# Altium PCB MB1166.PcbDoc (part 22 of 39)
Units mil, origin at the board's own origin, x right, y up, seen from the top; angles counter-clockwise.
Board outline 5000.99 x 2352.96 mil, 4 copper layers (TOP, L2_GND, L3_VCC, BOTTOM), stack 25.9 mil thick; 35 components, 24 nets, 166 pads, 143 vias.
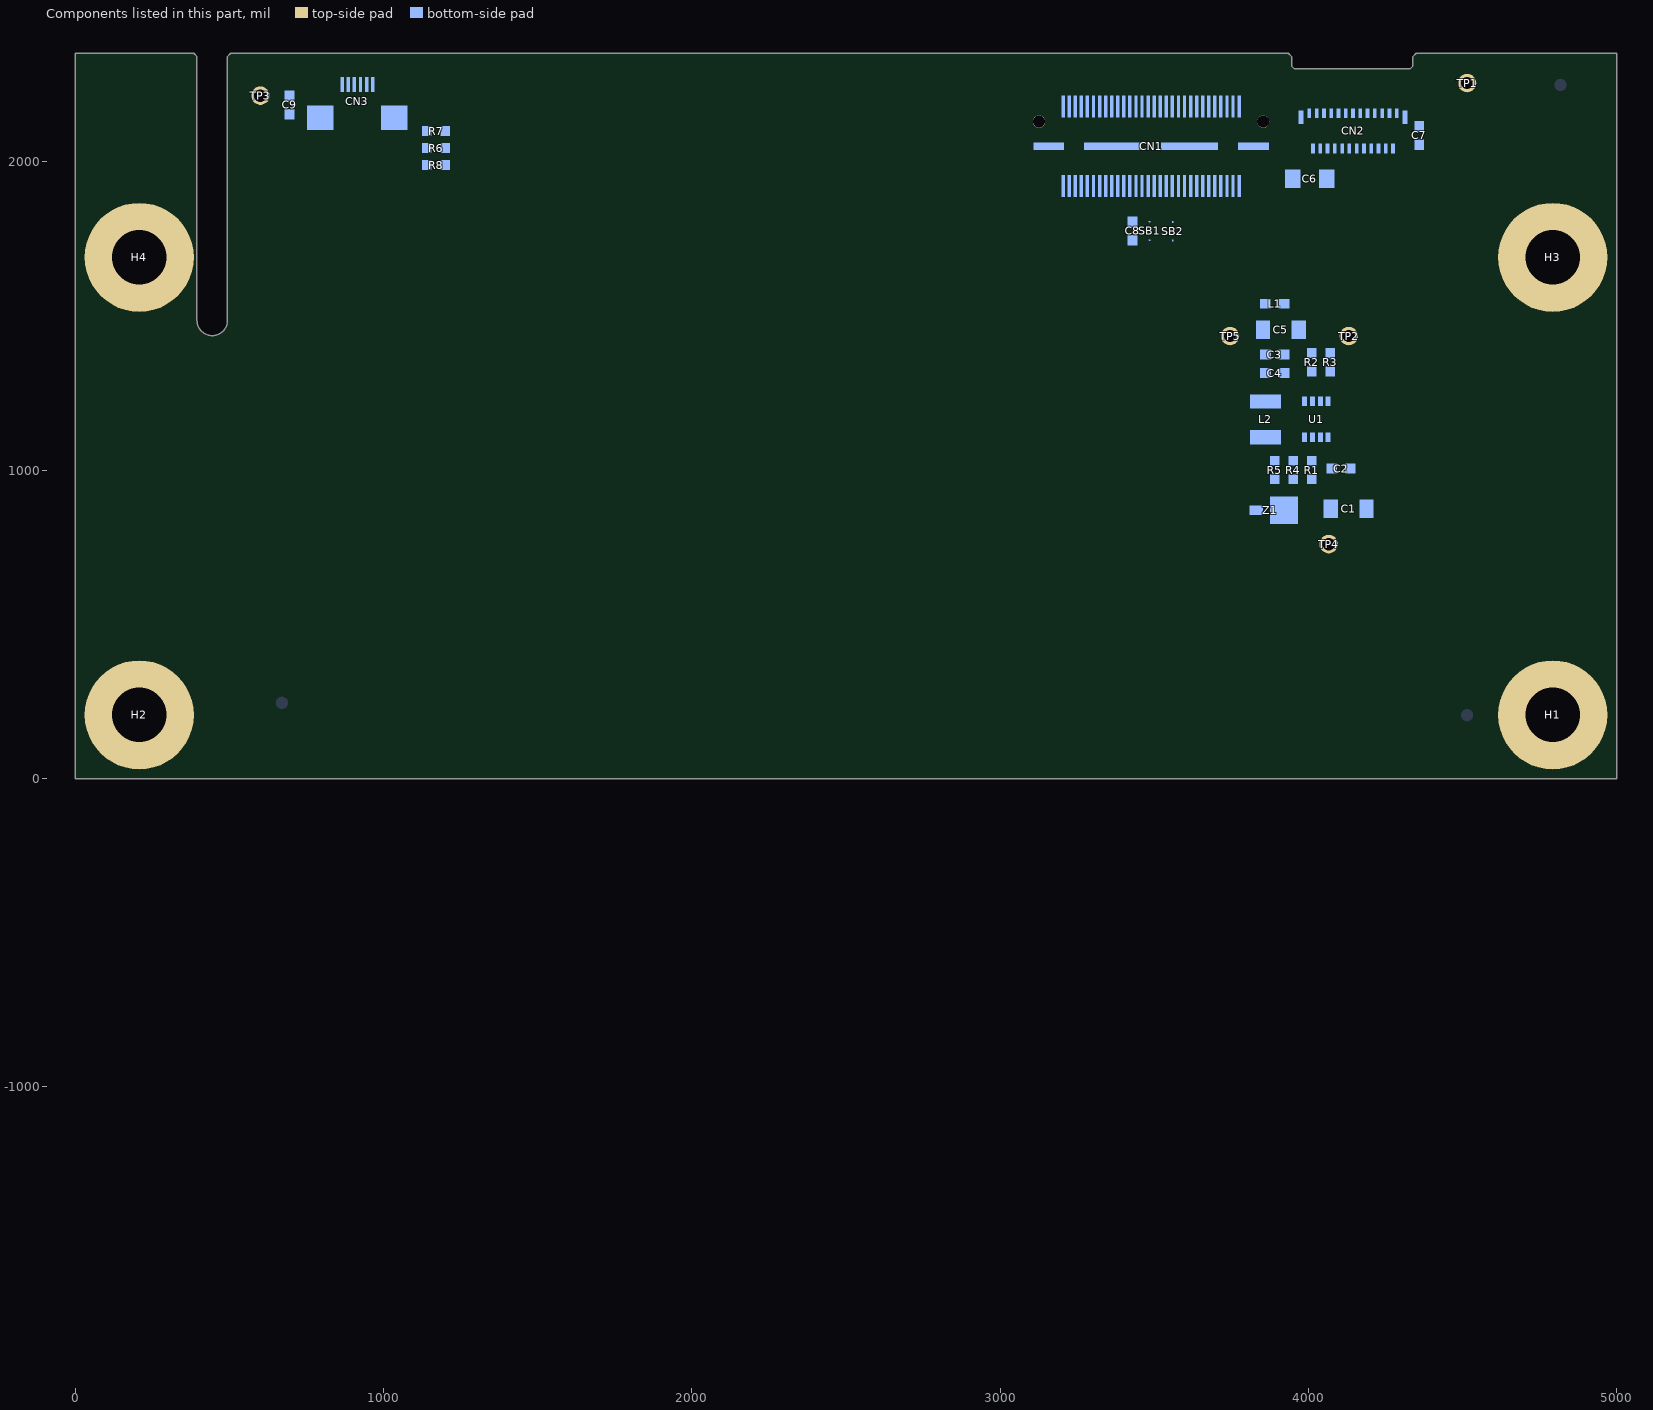
[diagram p24: the components of this part, seen from the top]

## Via types
v1: diameter 24, hole 12, TOP to BOTTOM, 143 vias

## Nets (pads, with @x,y where several pads share a name; then routed paths per layer and width w, separated by ;. In a path a pad name is that pad's centre, name@x,y a point inside that pad or via, vN(x,y) a via of type N, cw(c..) or ccw(c..) an arc to the next point about the centre after c; other vN are vias at no path point) (continued)
copper on no net: (continued)
  BOTTOM w2: 850.02,-1168.95 850.05,-1168.85 ; 850.02,-1168.95 850.05,-1168.85 ; 850.05,-1190.43 850.26,-1190.64 ; 850.05,-1190.43 850.26,-1190.64 ; 850.05,-1168.85 850.07,-1168.75 ; 850.05,-1168.85 850.07,-1168.75 ; 850.07,-1168.75 850.1,-1168.66 ; 850.07,-1168.75 850.1,-1168.66 ; 850.1,-1168.66 850.12,-1168.56 ; 850.1,-1168.66 850.12,-1168.56 ; 850.12,-1168.56 850.15,-1168.46 ; 850.12,-1168.56 850.15,-1168.46 ; 850.15,-1168.46 850.17,-1168.37 ; 850.15,-1168.46 850.17,-1168.37 ; 850.17,-1168.37 850.23,-1168.17 ; 850.17,-1168.37 850.23,-1168.17 ; 850.26,-1190.64 850.33,-1190.72 ; 850.26,-1190.64 850.33,-1190.72 ; 850.23,-1168.17 850.25,-1168.08 ; 850.23,-1168.17 850.25,-1168.08 ; 850.25,-1168.08 850.28,-1167.98 ; 850.25,-1168.08 850.28,-1167.98 ; 850.28,-1167.98 850.3,-1167.88 ; 850.28,-1167.98 850.3,-1167.88 ; 850.3,-1167.88 850.33,-1167.79 ; 850.3,-1167.88 850.33,-1167.79 ; 850.33,-1190.72 850.54,-1190.93 ; 850.33,-1190.72 850.54,-1190.93 ; 850.33,-1167.79 850.35,-1167.69 ; 850.33,-1167.79 850.35,-1167.69 ; 850.35,-1167.69 850.38,-1167.59 ; 850.35,-1167.69 850.38,-1167.59 ; 850.38,-1167.59 850.4,-1167.5 ; 850.38,-1167.59 850.4,-1167.5 ; 850.4,-1167.5 850.43,-1167.4 ; 850.4,-1167.5 850.43,-1167.4 ; 850.43,-1167.4 850.45,-1167.3 ; 850.43,-1167.4 850.45,-1167.3 ; 850.45,-1167.3 850.48,-1167.2 ; 850.45,-1167.3 850.48,-1167.2 ; 850.48,-1167.2 850.5,-1167.11 ; 850.48,-1167.2 850.5,-1167.11 ; 850.5,-1167.11 850.53,-1167.01 ; 850.5,-1167.11 850.53,-1167.01 ; 850.54,-1190.93 850.61,-1190.99 ; 850.54,-1190.93 850.61,-1190.99 ; 850.53,-1167.01 850.55,-1166.91 ; 850.53,-1167.01 850.55,-1166.91 ; 850.55,-1166.91 850.58,-1166.82 ; 850.55,-1166.91 850.58,-1166.82 ; 850.61,-1190.99 850.69,-1191.06 ; 850.61,-1190.99 850.69,-1191.06 ; 850.58,-1166.82 850.6,-1166.72 ; 850.58,-1166.82 850.6,-1166.72 ; 850.61,-1166.69 805.33,-1211.96 850.61,-1166.69 ; 850.6,-1166.72 850.63,-1166.62 ; 850.6,-1166.72 850.63,-1166.62 ; 850.63,-1166.62 850.65,-1166.53 ; 850.63,-1166.62 850.65,-1166.53 ; 850.65,-1166.53 850.68,-1166.43 ; 850.65,-1166.53 850.68,-1166.43 ; 850.69,-1191.06 850.83,-1191.2 ; 850.69,-1191.06 850.83,-1191.2 ; 850.68,-1166.43 850.7,-1166.33 ; 850.68,-1166.43 850.7,-1166.33 ; 850.7,-1166.33 850.73,-1166.24 ; 850.7,-1166.33 850.73,-1166.24 ; 850.73,-1166.24 850.75,-1166.14 ; 850.73,-1166.24 850.75,-1166.14 ; 850.75,-1166.14 850.78,-1166.04 ; 850.75,-1166.14 850.78,-1166.04 ; 850.78,-1166.04 850.8,-1165.95 ; 850.78,-1166.04 850.8,-1165.95 ; 850.8,-1165.95 850.82,-1165.85 ; 850.8,-1165.95 850.82,-1165.85 ; 850.82,-1165.85 850.85,-1165.75 ; 850.82,-1165.85 850.85,-1165.75 ; 850.83,-1191.2 850.91,-1191.26 ; 850.83,-1191.2 850.91,-1191.26 ; 850.85,-1165.75 850.87,-1165.66 ; 850.85,-1165.75 850.87,-1165.66 ; 850.87,-1165.66 850.9,-1165.56 ; 850.87,-1165.66 850.9,-1165.56 ; 850.91,-1191.26 850.98,-1191.33 ; 850.91,-1191.26 850.98,-1191.33 ; 850.9,-1165.56 850.92,-1165.46 ; 850.9,-1165.56 850.92,-1165.46 ; 850.92,-1165.46 850.95,-1165.36 ; 850.92,-1165.46 850.95,-1165.36 ; 850.95,-1165.36 850.97,-1165.27 ; 850.95,-1165.36 850.97,-1165.27 ; 850.97,-1165.27 851,-1165.17 ; 850.97,-1165.27 851,-1165.17 ; 850.98,-1191.33 851.06,-1191.4 ; 850.98,-1191.33 851.06,-1191.4 ; 851,-1165.17 851.02,-1165.07 ; 851,-1165.17 851.02,-1165.07 ; 851.02,-1165.07 851.05,-1164.98 ; 851.02,-1165.07 851.05,-1164.98 ; 851.06,-1191.4 851.14,-1191.46 ; 851.06,-1191.4 851.14,-1191.46 ; 851.05,-1164.98 851.09,-1164.78 ; 851.05,-1164.98 851.09,-1164.78 ; 851.09,-1164.78 851.12,-1164.69 ; 851.09,-1164.78 851.12,-1164.69 ; 851.12,-1164.69 851.14,-1164.59 ; 851.12,-1164.69 851.14,-1164.59 ; 851.14,-1191.46 851.21,-1191.52 ; 851.14,-1191.46 851.21,-1191.52 ; 851.14,-1164.59 851.17,-1164.49 ; 851.14,-1164.59 851.17,-1164.49 ; 851.17,-1164.49 851.19,-1164.39 ; 851.17,-1164.49 851.19,-1164.39 ; 851.21,-1191.52 851.29,-1191.59 ; 851.21,-1191.52 851.29,-1191.59 ; 851.19,-1164.39 851.22,-1164.3 ; 851.19,-1164.39 851.22,-1164.3 ; 851.22,-1164.3 851.24,-1164.2 ; 851.22,-1164.3 851.24,-1164.2 ; 851.24,-1164.2 851.27,-1164.1 ; 851.24,-1164.2 851.27,-1164.1 ; 851.27,-1164.1 851.29,-1164.01 ; 851.27,-1164.1 851.29,-1164.01 ; 851.29,-1191.59 851.37,-1191.65 ; 851.29,-1191.59 851.37,-1191.65 ; 851.29,-1164.01 851.31,-1163.91 ; 851.29,-1164.01 851.31,-1163.91 ; 851.31,-1163.91 851.34,-1163.81 ; 851.31,-1163.91 851.34,-1163.81 ; 851.37,-1191.65 851.44,-1191.72 ; 851.37,-1191.65 851.44,-1191.72 ; 851.34,-1163.81 851.36,-1163.72 ; 851.34,-1163.81 851.36,-1163.72 ; 851.37,-1163.68 803.97,-1211.08 851.37,-1163.68 ; 851.36,-1163.72 851.39,-1163.62 ; 851.36,-1163.72 851.39,-1163.62 ; 851.39,-1163.62 851.43,-1163.42 ; 851.39,-1163.62 851.43,-1163.42 ; 851.44,-1191.72 852.48,-1192.5 ; 851.44,-1191.72 852.48,-1192.5 ; 851.43,-1163.42 851.46,-1163.33 ; 851.43,-1163.42 851.46,-1163.33 ; 851.46,-1163.33 851.48,-1163.23 ; 851.46,-1163.33 851.48,-1163.23 ; 851.48,-1163.23 851.51,-1163.13 ; 851.48,-1163.23 851.51,-1163.13 ; 851.51,-1163.13 851.53,-1163.04 ; 851.51,-1163.13 851.53,-1163.04 ; 851.53,-1163.04 851.55,-1162.94 ; 851.53,-1163.04 851.55,-1162.94 ; 851.55,-1162.94 851.58,-1162.84 ; 851.55,-1162.94 851.58,-1162.84 ; 851.58,-1162.84 851.6,-1162.74 ; 851.58,-1162.84 851.6,-1162.74 ; 851.6,-1162.74 851.62,-1162.65 ; 851.6,-1162.74 851.62,-1162.65 ; 851.62,-1162.65 851.65,-1162.55 ; 851.62,-1162.65 851.65,-1162.55 ; 851.65,-1162.55 851.67,-1162.45 ; 851.65,-1162.55 851.67,-1162.45 ; 851.67,-1162.45 851.7,-1162.36 ; 851.67,-1162.45 851.7,-1162.36 ; 851.7,-1162.36 851.74,-1162.16 ; 851.7,-1162.36 851.74,-1162.16 ; 851.74,-1162.16 851.77,-1162.06 ; 851.74,-1162.16 851.77,-1162.06 ; 851.77,-1162.06 851.79,-1161.97 ; 851.77,-1162.06 851.79,-1161.97 ; 851.79,-1161.97 851.81,-1161.87 ; 851.79,-1161.97 851.81,-1161.87 ; 851.81,-1161.87 851.84,-1161.77 ; 851.81,-1161.87 851.84,-1161.77 ; 851.84,-1161.77 851.86,-1161.68 ; 851.84,-1161.77 851.86,-1161.68 ; 851.86,-1161.68 851.88,-1161.58 ; 851.86,-1161.68 851.88,-1161.58 ; 851.88,-1161.58 851.91,-1161.48 ; 851.88,-1161.58 851.91,-1161.48 ; 851.91,-1161.48 851.93,-1161.38 ; 851.91,-1161.48 851.93,-1161.38 ; 851.93,-1161.38 851.95,-1161.29 ; 851.93,-1161.38 851.95,-1161.29 ; 851.95,-1161.29 851.98,-1161.19 ; 851.95,-1161.29 851.98,-1161.19 ; 851.98,-1161.19 852,-1161.09 ; 851.98,-1161.19 852,-1161.09 ; 852,-1161.09 852.02,-1161 ; 852,-1161.09 852.02,-1161 ; 852.02,-1161 852.05,-1160.9 ; 852.02,-1161 852.05,-1160.9 ; 852.05,-1160.9 852.09,-1160.7 ; 852.05,-1160.9 852.09,-1160.7 ; 852.09,-1160.72 802.66,-1210.15 852.09,-1160.72 ; 852.09,-1160.7 852.12,-1160.61 ; 852.09,-1160.7 852.12,-1160.61 ; 852.12,-1160.61 852.16,-1160.41 ; 852.12,-1160.61 852.16,-1160.41 ; 852.16,-1160.41 852.19,-1160.31 ; 852.16,-1160.41 852.19,-1160.31 ; 852.19,-1160.31 852.21,-1160.22 ; 852.19,-1160.31 852.21,-1160.22 ; 852.21,-1160.22 852.23,-1160.12 ; 852.21,-1160.22 852.23,-1160.12 ; 852.23,-1160.12 852.26,-1160.02 ; 852.23,-1160.12 852.26,-1160.02 ; 852.26,-1160.02 852.28,-1159.92 ; 852.26,-1160.02 852.28,-1159.92 ; 852.28,-1159.92 852.3,-1159.83 ; 852.28,-1159.92 852.3,-1159.83 ; 852.3,-1159.83 852.32,-1159.73 ; 852.3,-1159.83 852.32,-1159.73 ; 852.32,-1159.73 852.35,-1159.63 ; 852.32,-1159.73 852.35,-1159.63 ; 852.35,-1159.63 852.37,-1159.54 ; 852.35,-1159.63 852.37,-1159.54 ; 852.37,-1159.54 852.39,-1159.44 ; 852.37,-1159.54 852.39,-1159.44 ; 852.39,-1159.44 852.42,-1159.34 ; 852.39,-1159.44 852.42,-1159.34 ; 852.42,-1159.34 852.44,-1159.24 ; 852.42,-1159.34 852.44,-1159.24 ; 852.44,-1159.24 852.46,-1159.15 ; 852.44,-1159.24 852.46,-1159.15 ; 852.46,-1159.15 852.48,-1159.05 ; 852.46,-1159.15 852.48,-1159.05 ; 852.48,-1192.5 852.57,-1192.55 ; 852.48,-1192.5 852.57,-1192.55 ; 852.48,-1159.05 852.51,-1158.95 ; 852.48,-1159.05 852.51,-1158.95 ; 852.51,-1158.95 852.53,-1158.85 ; 852.51,-1158.95 852.53,-1158.85 ; 852.57,-1192.55 852.73,-1192.67 ; 852.57,-1192.55 852.73,-1192.67 ; 852.53,-1158.85 852.55,-1158.76 ; 852.53,-1158.85 852.55,-1158.76 ; 852.55,-1158.76 852.57,-1158.66 ; 852.55,-1158.76 852.57,-1158.66 ; 852.57,-1158.66 852.6,-1158.56 ; 852.57,-1158.66 852.6,-1158.56 ; 852.6,-1158.56 852.62,-1158.46 ; 852.6,-1158.56 852.62,-1158.46 ; 852.62,-1158.46 852.64,-1158.37 ; 852.62,-1158.46 852.64,-1158.37 ; 852.64,-1158.37 852.68,-1158.17 ; 852.64,-1158.37 852.68,-1158.17 ; 852.68,-1158.17 852.71,-1158.07 ; 852.68,-1158.17 852.71,-1158.07 ; 852.71,-1158.07 852.73,-1157.98 ; 852.71,-1158.07 852.73,-1157.98 ; 852.73,-1192.67 852.81,-1192.72 ; 852.73,-1192.67 852.81,-1192.72 ; 852.73,-1157.98 852.77,-1157.78 ; 852.73,-1157.98 852.77,-1157.78 ; 852.77,-1157.79 801.41,-1209.15 852.77,-1157.79 ; 852.77,-1157.78 852.8,-1157.68 ; 852.77,-1157.78 852.8,-1157.68 ; 852.81,-1192.72 852.89,-1192.78 ; 852.81,-1192.72 852.89,-1192.78 ; 852.8,-1157.68 852.82,-1157.59 ; 852.8,-1157.68 852.82,-1157.59 ; 852.82,-1157.59 852.88,-1157.29 ; 852.82,-1157.59 852.88,-1157.29 ; 852.89,-1192.78 852.98,-1192.84 ; 852.89,-1192.78 852.98,-1192.84 ; 852.88,-1157.29 852.91,-1157.2 ; 852.88,-1157.29 852.91,-1157.2 ; 852.91,-1157.2 852.97,-1156.9 ; 852.91,-1157.2 852.97,-1156.9 ; 852.97,-1156.9 852.99,-1156.81 ; 852.97,-1156.9 852.99,-1156.81 ; 852.98,-1192.84 853.06,-1192.89 ; 852.98,-1192.84 853.06,-1192.89 ; 852.99,-1156.81 853.01,-1156.71 ; 852.99,-1156.81 853.01,-1156.71 ; 853.01,-1156.71 853.04,-1156.61 ; 853.01,-1156.71 853.04,-1156.61 ; 853.06,-1192.89 853.14,-1192.95 ; 853.06,-1192.89 853.14,-1192.95 ; 853.04,-1156.61 853.08,-1156.41 ; 853.04,-1156.61 853.08,-1156.41 ; 853.08,-1156.41 853.1,-1156.32 ; 853.08,-1156.41 853.1,-1156.32 ; 853.1,-1156.32 853.14,-1156.12 ; 853.1,-1156.32 853.14,-1156.12 ; 853.14,-1192.95 853.23,-1193 ; 853.14,-1192.95 853.23,-1193 ; 853.14,-1156.12 853.17,-1156.02 ; 853.14,-1156.12 853.17,-1156.02 ; 853.17,-1156.02 853.19,-1155.93 ; 853.17,-1156.02 853.19,-1155.93 ; 853.19,-1155.93 853.25,-1155.63 ; 853.19,-1155.93 853.25,-1155.63 ; 853.23,-1193 853.31,-1193.06 ; 853.23,-1193 853.31,-1193.06 ; 853.25,-1155.63 853.27,-1155.54 ; 853.25,-1155.63 853.27,-1155.54 ; 853.27,-1155.54 853.31,-1155.34 ; 853.27,-1155.54 853.31,-1155.34 ; 853.31,-1193.06 853.39,-1193.11 ; 853.31,-1193.06 853.39,-1193.11 ; 853.31,-1155.34 853.34,-1155.24 ; 853.31,-1155.34 853.34,-1155.24 ; 853.34,-1155.24 853.36,-1155.14 ; 853.34,-1155.24 853.36,-1155.14 ; 853.36,-1155.14 853.38,-1155.05 ; 853.36,-1155.14 853.38,-1155.05 ; 853.38,-1193.1 830.14,-1216.34 853.38,-1193.1 ; 853.39,-1193.11 853.48,-1193.17 ; 853.39,-1193.11 853.48,-1193.17 ; 853.38,-1155.05 853.44,-1154.75 ; 853.38,-1155.05 853.44,-1154.75 ; 853.44,-1154.75 853.46,-1154.66 ; 853.44,-1154.75 853.46,-1154.66 ; 853.46,-1154.66 853.54,-1154.26 ; 853.46,-1154.66 853.54,-1154.26 ; 853.48,-1193.17 853.56,-1193.22 ; 853.48,-1193.17 853.56,-1193.22 ; 853.56,-1193.22 853.65,-1193.27 ; 853.56,-1193.22 853.65,-1193.27 ; 853.54,-1154.26 853.57,-1154.17 ; 853.54,-1154.26 853.57,-1154.17 ; 853.57,-1154.17 853.63,-1153.87 ; 853.57,-1154.17 853.63,-1153.87 ; 853.65,-1193.27 853.73,-1193.32 ; 853.65,-1193.27 853.73,-1193.32 ; 853.63,-1153.87 853.65,-1153.78 ; 853.63,-1153.87 853.65,-1153.78 ; 853.65,-1153.78 853.73,-1153.38 ; 853.65,-1153.78 853.73,-1153.38 ; 853.73,-1193.32 853.82,-1193.37 ; 853.73,-1193.32 853.82,-1193.37 ; 853.73,-1153.38 853.75,-1153.29 ; 853.73,-1153.38 853.75,-1153.29 ; 853.75,-1153.29 853.83,-1152.89 ; 853.75,-1153.29 853.83,-1152.89 ; 853.82,-1193.37 853.91,-1193.43 ; 853.82,-1193.37 853.91,-1193.43 ; 853.83,-1152.89 853.85,-1152.8 ; 853.83,-1152.89 853.85,-1152.8 ; 853.85,-1152.8 853.93,-1152.4 ; 853.85,-1152.8 853.93,-1152.4 ; 853.91,-1193.43 853.99,-1193.48 ; 853.91,-1193.43 853.99,-1193.48 ; 853.93,-1152.4 853.95,-1152.31 ; 853.93,-1152.4 853.95,-1152.31 ; 853.95,-1152.31 854.03,-1151.91 ; 853.95,-1152.31 854.03,-1151.91 ; 853.99,-1193.48 854.08,-1193.52 ; 853.99,-1193.48 854.08,-1193.52 ; 854.03,-1151.91 854.05,-1151.82 ; 854.03,-1151.91 854.05,-1151.82 ; 854.05,-1151.82 854.13,-1151.42 ; 854.05,-1151.82 854.13,-1151.42 ; 854.08,-1193.52 854.26,-1193.62 ; 854.08,-1193.52 854.26,-1193.62 ; 854.13,-1151.42 854.15,-1151.33 ; 854.13,-1151.42 854.15,-1151.33 ; 854.15,-1151.33 854.21,-1151.03 ; 854.15,-1151.33 854.21,-1151.03 ; 854.21,-1151.03 854.22,-1150.93 ; 854.21,-1151.03 854.22,-1150.93 ; 854.22,-1150.93 854.24,-1150.84 ; 854.22,-1150.93 854.24,-1150.84 ; 854.26,-1193.62 854.34,-1193.67 ; 854.26,-1193.62 854.34,-1193.67 ; 854.24,-1150.84 854.34,-1150.34 ; 854.24,-1150.84 854.34,-1150.34 ; 854.34,-1193.67 854.43,-1193.71 ; 854.34,-1193.67 854.43,-1193.71 ; 854.34,-1150.34 854.36,-1150.25 ; 854.34,-1150.34 854.36,-1150.25 ; 854.36,-1150.25 854.4,-1150.05 ; 854.36,-1150.25 854.4,-1150.05 ; 854.4,-1150.05 854.41,-1149.95 ; 854.4,-1150.05 854.41,-1149.95 ; 854.41,-1149.95 854.43,-1149.85 ; 854.41,-1149.95 854.43,-1149.85 ; 854.43,-1193.71 854.52,-1193.76 ; 854.43,-1193.71 854.52,-1193.76 ; 854.43,-1149.85 854.45,-1149.76 ; 854.43,-1149.85 854.45,-1149.76 ; 854.45,-1149.76 854.55,-1149.26 ; 854.45,-1149.76 854.55,-1149.26 ; 854.52,-1193.76 854.7,-1193.84 ; 854.52,-1193.76 854.7,-1193.84 ; 854.55,-1149.26 854.56,-1149.17 ; 854.55,-1149.26 854.56,-1149.17 ; 854.56,-1149.17 854.66,-1148.67 ; 854.56,-1149.17 854.66,-1148.67 ; 854.66,-1148.67 854.67,-1148.58 ; 854.66,-1148.67 854.67,-1148.58 ; 854.67,-1148.58 854.75,-1148.18 ; 854.67,-1148.58 854.75,-1148.18 ; 854.7,-1193.84 854.79,-1193.89 ; 854.7,-1193.84 854.79,-1193.89 ; 854.75,-1148.18 854.76,-1148.08 ; 854.75,-1148.18 854.76,-1148.08 ; 854.76,-1148.08 854.78,-1147.99 ; 854.76,-1148.08 854.78,-1147.99 ; 854.79,-1193.89 854.89,-1193.93 ; 854.79,-1193.89 854.89,-1193.93 ; 854.78,-1147.99 854.82,-1147.79 ; 854.78,-1147.99 854.82,-1147.79 ; 854.82,-1147.79 854.83,-1147.69 ; 854.82,-1147.79 854.83,-1147.69 ; 854.83,-1147.69 854.89,-1147.39 ; 854.83,-1147.69 854.89,-1147.39 ; 854.89,-1193.93 854.98,-1193.97 ; 854.89,-1193.93 854.98,-1193.97 ; 854.89,-1147.39 854.9,-1147.3 ; 854.89,-1147.39 854.9,-1147.3 ; 854.9,-1147.3 854.96,-1147 ; 854.9,-1147.3 854.96,-1147 ; 854.96,-1147 854.97,-1146.9 ; 854.96,-1147 854.97,-1146.9 ; 854.97,-1146.9 854.99,-1146.8 ; 854.97,-1146.9 854.99,-1146.8 ; 854.98,-1193.97 855.07,-1194 ; 854.98,-1193.97 855.07,-1194 ; 854.99,-1146.8 855.01,-1146.71 ; 854.99,-1146.8 855.01,-1146.71 ; 855.01,-1146.71 855.03,-1146.61 ; 855.01,-1146.71 855.03,-1146.61 ; 855.07,-1194 855.16,-1194.04 ; 855.07,-1194 855.16,-1194.04 ; 855.03,-1146.61 855.04,-1146.51 ; 855.03,-1146.61 855.04,-1146.51 ; 855.04,-1146.51 855.1,-1146.21 ; 855.04,-1146.51 855.1,-1146.21 ; 855.1,-1146.21 855.12,-1146.12 ; 855.1,-1146.21 855.12,-1146.12 ; 855.12,-1146.12 855.2,-1145.72 ; 855.12,-1146.12 855.2,-1145.72 ; 855.16,-1194.04 855.26,-1194.08 ; 855.16,-1194.04 855.26,-1194.08 ; 855.2,-1145.72 855.22,-1145.63 ; 855.2,-1145.72 855.22,-1145.63 ; 855.22,-1145.63 855.28,-1145.33 ; 855.22,-1145.63 855.28,-1145.33 ; 855.26,-1194.08 855.35,-1194.11 ; 855.26,-1194.08 855.35,-1194.11 ; 855.28,-1145.33 855.31,-1145.24 ; 855.28,-1145.33 855.31,-1145.24 ; 855.31,-1145.24 855.35,-1145.04 ; 855.31,-1145.24 855.35,-1145.04 ; 855.35,-1194.11 855.44,-1194.15 ; 855.35,-1194.11 855.44,-1194.15 ; 855.35,-1145.04 855.38,-1144.94 ; 855.35,-1145.04 855.38,-1144.94 ; 855.38,-1144.94 855.41,-1144.85 ; 855.38,-1144.94 855.41,-1144.85 ; 855.41,-1144.85 855.43,-1144.75 ; 855.41,-1144.85 855.43,-1144.75 ; 855.44,-1194.15 855.54,-1194.18 ; 855.44,-1194.15 855.54,-1194.18 ; 855.43,-1144.75 855.46,-1144.66 ; 855.43,-1144.75 855.46,-1144.66 ; 855.46,-1144.66 855.49,-1144.56 ; 855.46,-1144.66 855.49,-1144.56 ; 855.49,-1144.56 855.52,-1144.47 ; 855.49,-1144.56 855.52,-1144.47 ; 855.52,-1144.47 855.55,-1144.37 ; 855.52,-1144.47 855.55,-1144.37 ; 855.54,-1194.18 855.63,-1194.21 ; 855.54,-1194.18 855.63,-1194.21 ; 855.55,-1144.37 855.58,-1144.28 ; 855.55,-1144.37 855.58,-1144.28 ; 855.58,-1144.28 855.62,-1144.18 ; 855.58,-1144.28 855.62,-1144.18 ; 855.62,-1144.18 855.65,-1144.09 ; 855.62,-1144.18 855.65,-1144.09 ; 855.63,-1194.21 855.73,-1194.24 ; 855.63,-1194.21 855.73,-1194.24 ; 855.65,-1144.09 855.69,-1143.99 ; 855.65,-1144.09 855.69,-1143.99 ; 855.69,-1143.99 855.72,-1143.9 ; 855.69,-1143.99 855.72,-1143.9 ; 855.72,-1143.9 855.8,-1143.72 ; 855.72,-1143.9 855.8,-1143.72 ; 855.73,-1194.24 855.82,-1194.28 ; 855.73,-1194.24 855.82,-1194.28 ; 855.82,-1194.28 855.92,-1194.31 ; 855.82,-1194.28 855.92,-1194.31 ; 855.8,-1143.72 855.84,-1143.62 ; 855.8,-1143.72 855.84,-1143.62 ; 855.84,-1143.62 856,-1143.26 ; 855.84,-1143.62 856,-1143.26 ; 855.92,-1194.31 856.01,-1194.34 ; 855.92,-1194.31 856.01,-1194.34 ; 856.01,-1194.34 856.11,-1194.36 ; 856.01,-1194.34 856.11,-1194.36 ; 856,-1143.26 856.05,-1143.17 ; 856,-1143.26 856.05,-1143.17 ; 856.05,-1143.17 856.09,-1143.08 ; 856.05,-1143.17 856.09,-1143.08 ; 856.11,-1194.36 856.2,-1194.39 ; 856.11,-1194.36 856.2,-1194.39 ; 856.09,-1143.08 856.14,-1142.99 ; 856.09,-1143.08 856.14,-1142.99 ; 856.14,-1142.99 856.18,-1142.9 ; 856.14,-1142.99 856.18,-1142.9 ; 856.2,-1194.39 856.4,-1194.45 ; 856.2,-1194.39 856.4,-1194.45 ; 856.18,-1142.9 856.23,-1142.81 ; 856.18,-1142.9 856.23,-1142.81 ; 856.23,-1142.81 856.27,-1142.72 ; 856.23,-1142.81 856.27,-1142.72 ; 856.27,-1142.72 856.32,-1142.63 ; 856.27,-1142.72 856.32,-1142.63 ; 856.32,-1142.63 856.37,-1142.55 ; 856.32,-1142.63 856.37,-1142.55 ; 856.37,-1142.55 856.42,-1142.46 ; 856.37,-1142.55 856.42,-1142.46 ; 856.4,-1194.45 856.49,-1194.47 ; 856.4,-1194.45 856.49,-1194.47 ; 856.42,-1142.46 856.46,-1142.37 ; 856.42,-1142.46 856.46,-1142.37 ; 856.46,-1142.37 856.51,-1142.28 ; 856.46,-1142.37 856.51,-1142.28 ; 856.5,-1194.47 834.63,-1216.34 856.5,-1194.47 ; 856.49,-1194.47 856.59,-1194.5 ; 856.49,-1194.47 856.59,-1194.5 ; 856.51,-1142.28 856.56,-1142.2 ; 856.51,-1142.28 856.56,-1142.2 ; 856.56,-1142.2 856.71,-1141.93 ; 856.56,-1142.2 856.71,-1141.93 ; 856.59,-1194.5 856.69,-1194.52 ; 856.59,-1194.5 856.69,-1194.52 ; 856.69,-1194.52 856.78,-1194.55 ; 856.69,-1194.52 856.78,-1194.55 ; 856.71,-1141.93 856.76,-1141.85 ; 856.71,-1141.93 856.76,-1141.85 ; 856.76,-1141.85 856.86,-1141.67 ; 856.76,-1141.85 856.86,-1141.67 ; 856.78,-1194.55 856.98,-1194.59 ; 856.78,-1194.55 856.98,-1194.59 ; 856.86,-1141.67 856.91,-1141.59 ; 856.86,-1141.67 856.91,-1141.59 ; 856.91,-1141.59 857.01,-1141.41 ; 856.91,-1141.59 857.01,-1141.41 ; 856.98,-1194.59 857.08,-1194.62 ; 856.98,-1194.59 857.08,-1194.62 ; 857.01,-1141.41 857.05,-1141.33 ; 857.01,-1141.41 857.05,-1141.33 ; 857.05,-1141.33 857.15,-1141.15 ; 857.05,-1141.33 857.15,-1141.15 ; 857.08,-1194.62 857.17,-1194.64 ; 857.08,-1194.62 857.17,-1194.64 ; 857.17,-1194.64 857.27,-1194.66 ; 857.17,-1194.64 857.27,-1194.66 ; 857.15,-1141.15 857.2,-1141.07 ; 857.15,-1141.15 857.2,-1141.07 ; 857.2,-1141.07 857.3,-1140.89 ; 857.2,-1141.07 857.3,-1140.89 ; 857.27,-1194.66 857.37,-1194.69 ; 857.27,-1194.66 857.37,-1194.69 ; 857.3,-1140.89 857.35,-1140.81 ; 857.3,-1140.89 857.35,-1140.81 ; 857.37,-1194.69 857.47,-1194.71 ; 857.37,-1194.69 857.47,-1194.71 ; 857.35,-1140.81 857.5,-1140.54 ; 857.35,-1140.81 857.5,-1140.54 ; 857.47,-1194.71 857.56,-1194.73 ; 857.47,-1194.71 857.56,-1194.73 ; 857.5,-1140.54 857.55,-1140.46 ; 857.5,-1140.54 857.55,-1140.46 ; 857.56,-1194.73 857.86,-1194.79 ; 857.56,-1194.73 857.86,-1194.79 ; 857.55,-1140.46 857.6,-1140.37 ; 857.55,-1140.46 857.6,-1140.37 ; 857.6,-1140.37 857.65,-1140.29 ; 857.6,-1140.37 857.65,-1140.29 ; 857.65,-1140.29 857.75,-1140.11 ; 857.65,-1140.29 857.75,-1140.11 ; 857.75,-1140.11 857.8,-1140.03 ; 857.75,-1140.11 857.8,-1140.03 ; 857.8,-1140.03 857.86,-1139.94 ; 857.8,-1140.03 857.86,-1139.94 ; 857.86,-1194.79 857.95,-1194.82 ; 857.86,-1194.79 857.95,-1194.82 ; 857.86,-1139.94 857.91,-1139.86 ; 857.86,-1139.94 857.91,-1139.86 ; 857.91,-1139.86 857.96,-1139.77 ; 857.91,-1139.86 857.96,-1139.77 ; 857.95,-1194.82 858.25,-1194.88 ; 857.95,-1194.82 858.25,-1194.88 ; 857.96,-1139.77 858.01,-1139.69 ; 857.96,-1139.77 858.01,-1139.69 ; 858.01,-1139.69 858.07,-1139.6 ; 858.01,-1139.69 858.07,-1139.6 ; 858.07,-1139.6 858.12,-1139.52 ; 858.07,-1139.6 858.12,-1139.52 ; 858.12,-1139.52 858.18,-1139.44 ; 858.12,-1139.52 858.18,-1139.44 